# Altium PCB PROYECTO FINAL PCB.PcbDoc (continued)
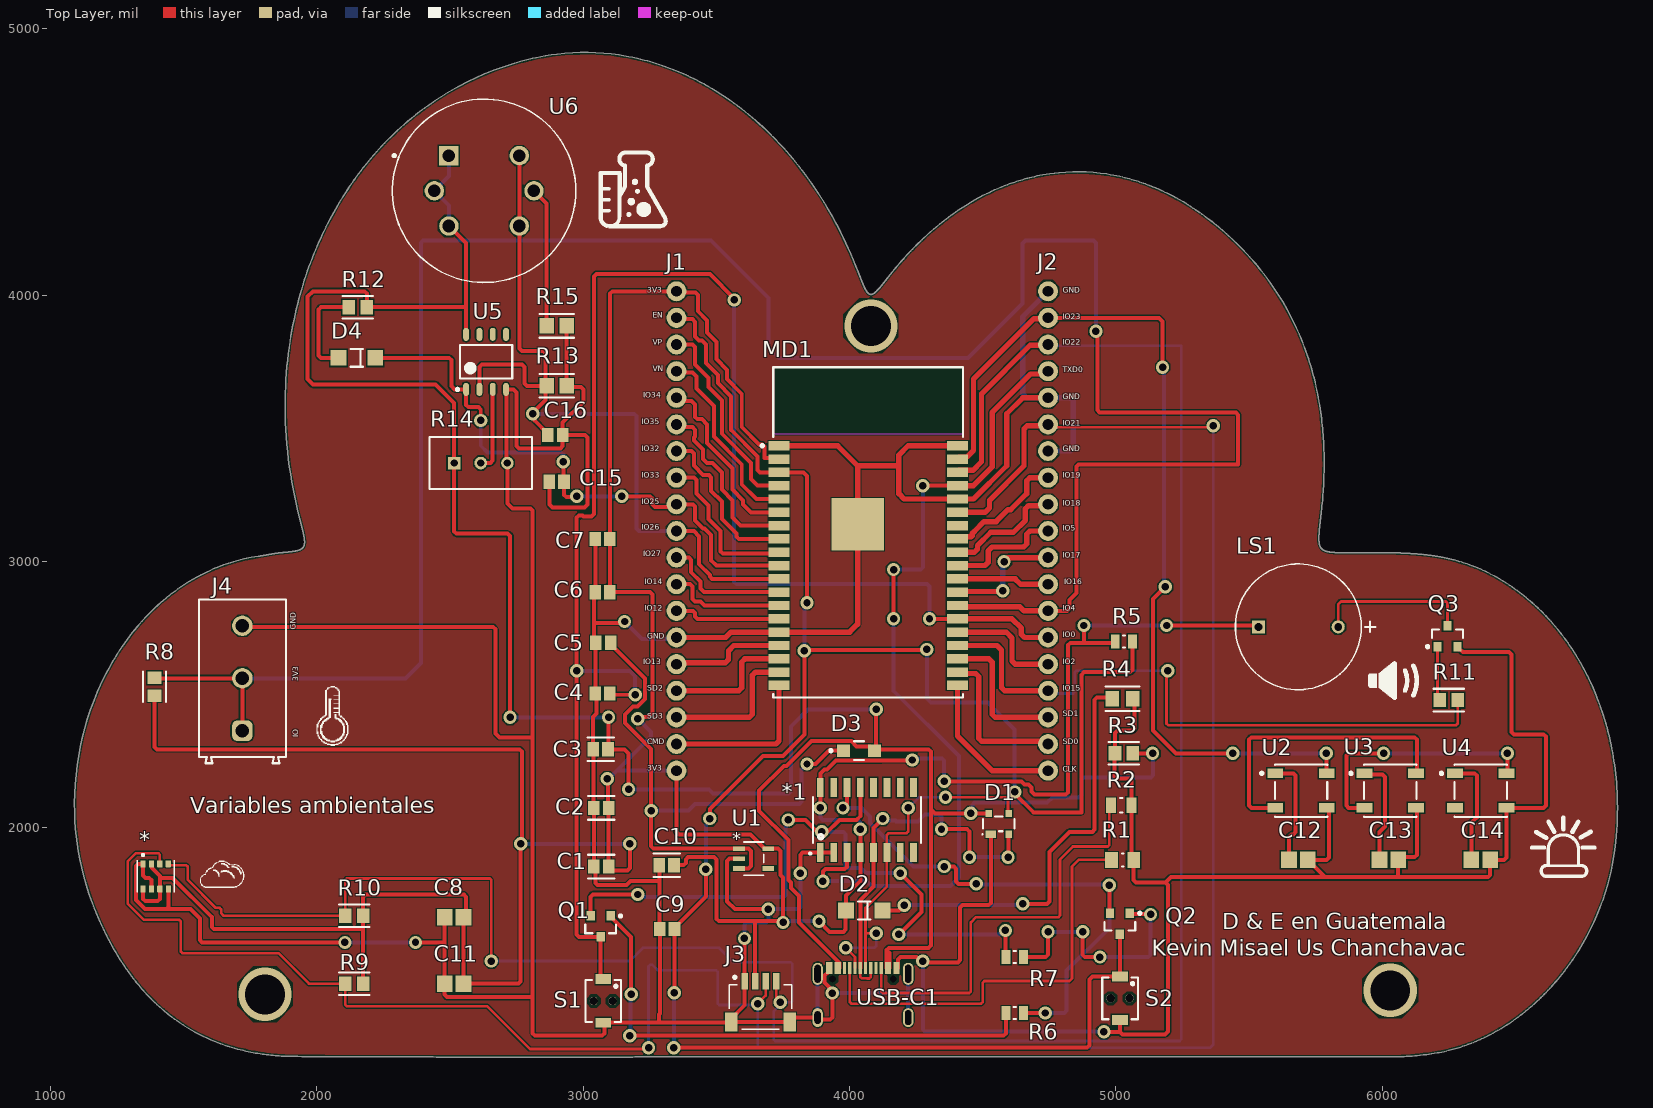
[diagram p0: Top Layer view]
## Part data (continued)
R3 R8 R9 R10 R11 R12 R13 R15: library part CMP-2001-00583-2, "RES 100K OHM 0.1% 1/8W 0805", Case Code (Imperial)=0805, Case Code (Metric)=2012, Max Operating Temperature=155°C, Max Power Dissipation=125mW, Min Operating Temperature=-55°C, Package Quantity=1, Resistance=100kR, Resistance Tolerance=0.1%, Resistor Type="Thin Film", Temperature Coefficient=25ppm/°C, Voltage Rating=100V, Case/Package=0805, Construction=Rectangular, Contact Plating=Tin, Depth=1.25mm, Features="Automotive AEC-Q200", Height=0.5mm, Lead Free="Lead Free", Length=2mm, Military Standard=Not, Mount="Surface Mount", Number of Pins=2, Number of Terminations=2, Packaging="Tape and Reel", Power Rating=125mW, Radiation Hardening=No, REACH SVHC="No SVHC", RoHS Compliant=Yes, Series=ERA-6A, Size Code=0805, Technology="METAL FILM", Termination=Solder, Tolerance=0.1%, Voltage Rating (DC)=100V, Width=1.25mm
R4: library part CMP-03211-002377-1, "RESISTOR, 0805 80.6Ω, 0.1% 15ppm/°C", Manufacturer="TE Connectivity", Package=RP732A, Power Rating=0.125W, Resistance=80.6Ω, Temperature="-55°C to 155°C", Temperature Coefficient=15ppm/°C, Temperature Range High=155°C, Temperature Range Low=-55°C, Tolerance=0.1%, Voltage Rating=150V, Automotive=No, Category=Res, ComponentLink2Description=Datasheet, ComponentLink2URL=https://www.te.com/commerce/DocumentDelivery/DDEController?Action=srchrtrv&DocNm=1773272&DocType=DS&DocLang=English, Composition="Thin Film", Device Class L1="Passive Components", Device Class L2=Resistors, Device Class L3="Chip SMD Resistors", Height=0.65mm, Ipc Land Pattern Name=RESC200125X55, Lead Free=Yes, Manufacturer Part Number=RP73D2A80R6BTG, Octopart=https://octopart.com/rp73d2a80r6btg-te+connectivity-42011633, octopart_url=https://octopart.com/rp73d2a80r6btg-te+connectivity-42011633, Packaging="250 cut tape length", RoHS=TRUE, Series=RP73
R5 R6 R7: library part CMP-2001-04657-1, "10 kOhms ±5% 0.25W, 1/4W Chip Resistor 0805 (2012 Metric) Automotive AEC-Q200, Moisture Resistant Thick Film", Manufacturer="KOA Speer", Part Number=RK73B2ATTD103J
R14: library part CMP-2000-05582-2, "TRIMMER 2K OHM 0.5W PC PIN TOP", Color=Blue, Max Operating Temperature=125°C, Max Power Dissipation=500mW, Min Operating Temperature=-55°C, Package Quantity=50, Resistance=2kR, Resistance Tolerance=10%, Resistor Type=Cermet, Temperature Coefficient=100ppm/°C, Contact Plating=Tin, Depth=4.83mm, Height=0.395inch, Lead Free="Lead Free", Length=9.53mm, Military Standard=Not, Mount=Panel, Number of Turns=25, Packaging=Rail/Tube, Power Rating=500mW, Radiation Hardening=No, REACH SVHC="No SVHC", RoHS Compliant=Yes, Series=3296, Taper=Linear, Technology=CERMET, Termination=Pin, Tolerance=10%, Weight=0.03oz, Width=9.53mm
S1: library part PTS820J25MSMTRLFS
U1: "No Description Available", Mfr_Name="Torex Semiconductor", Copyright="Copyright (C) 2022 Ultra Librarian. All rights reserved.", Manufacturer_Part_Number=XC6210B332MR-G, RefDes=RefDes, Type=DEV
U2 U3 U4: library part CMP-2000-05026-1, "Intelligent Control LED Integrated Light Source, 3.5 to 5.3 V, -25 to 80 degC, 4-Pin SMD, RoHS, Tape and Reel", Color=Red,Green,Blue(RGB), Manufacturer=Adafruit-Industries-LLC, Package Description="4-Pin Surface Mount Device, Body 5 x 5 mm", Category=Optoelectronics, Configuration=Discrete, Controller Type=-, Datasheet URL=http://datasheet.octopart.com/ADA1655-Adafruit-Industries-datasheet-32028139.pdf, Datasheet Version=May-13, Family=Addressable,Specialty, Interface=-, Manufacturer URL=https://www.adafruit.com/, Mounting Type=SurfaceMount, Number of LEDs=10, Package Reference=1655, Series=Neopixel, Size / Dimension=5.00mmLx5.00mmW, Utilized LED=WS2812(5050)
U5: library part CMP-2000-06550-1, "Low-Power, Dual-Voltage Comparator, 2 to 36 V, 0 to 70 degC, 8-Pin SOIC (SO), RoHS, Tape and Reel", Current - Input Bias (Max)=0.25µA@5V, Current - Output (Typ)=18mA@5V, Current - Quiescent (Max)=2.5mA, Manufacturer=STMicroelectronics, Operating Temperature=0°C~70°C, Package / Case="8-SOIC(0.154\",3.90mmWidth)", Package Description="8-Pin Small Outline Integrated Circuit, Body 4.9 x 3.9 mm, Pitch 1.27 mm", Package Reference=SO-8, Standard Package=2,500, Supplier Device Package=8-SO, Voltage - Input Offset (Max)=5mV@30V, Voltage - Supply, Single/Dual (±)=2V~36V,±1V~18V, Category=IntegratedCircuits(ICs), Datasheet URL=http://www.st.com/content/ccc/resource/technical/document/datasheet/group1/b4/cc/cf/13/18/28/44/f5/CD00000465/files/CD00000465.pdf/jcr:content/translations/en.CD00000465.pdf, Datasheet Version="Rev. 15, 02/2016", EDA / CAD Models=DownloadfromAcceleratedDesigns, Family=Linear-Comparators, Manufacturer URL=http://www.st.com/, Mounting Technology=SurfaceMount, Mounting Type=SurfaceMount, Number of Elements=2, Online Catalog=Comparators-2elements, Other Names=497-1593-2, Other Related Documents=LM393ViewAllSpecificationsLM393ViewAllSpecifications, Output Type=CMOS,DTL,ECL,MOS,Open-Collector,TTL, Packaging=Tape&Reel(TR), Type=GeneralPurpose
U6: library part CMP-04312-24208239-1, "TGS822 MOS-Type organic solvent vapors sensor; range: 50-5000ppm C2H5OH; supply: 5V; power: 660mW", Case/Package=Radial, Max Supply Voltage=24V, Height=10mm, NexarPartId=24208239, RoHS=Compliant
USB-C1: "USB - Type C Female 16 SMT USB Connectors RoHS", ComponentLink1Description=datasheet, ComponentLink1URL=https://datasheet.lcsc.com/szlcsc/2002271811_XKB-Connectivity-U262-161N-4BVC11_C319148.pdf, ComponentLink2Description="LCSC Link", ComponentLink2URL=https://lcsc.com/product-detail/USB-Connectors_XKB-Connectivity-U262-161N-4BVC11_C319148.html

## Via types
v1: diameter 50, hole 28, Top Layer to Bottom Layer, 92 vias
v2: diameter 200, hole 150, Top Layer to Bottom Layer, 3 vias

## Nets (pads, with @x,y where several pads share a name; then routed paths per layer and width w, separated by ;. In a path a pad name is that pad's centre, name@x,y a point inside that pad or via, vN(x,y) a via of type N, cw(c..) or ccw(c..) an arc to the next point about the centre after c; other vN are vias at no path point)
3V3: *1.4 *1.16 *.2 *.6 *.8 C1.2 C2.2 C6.2 C7.2 C8.2 C10.2 C11.2 D2.2 J1.1 J1.19 J3.2 LS1.1 MD1.2 R5.2 R8.2 R9.2 R10.2 U1.5 | length 14517.2
  Top Layer w15: *.8 1347.01,1733.79 1355.79,1725 1401.21,1725 1410,1733.79 *.6 1410,1811.83 ; *.2 1380.85,1862.66 1380.85,1849.15 1410,1820 1410,1811.83 ; R8.2 1390,2303.79 1398.79,2295 2761.21,2295 2770,2286.21 2770,1945 v1(2765,1940) 2765,1423.79 2756.21,1415 C11.2 C8.2 2560,1674.57 2560,1741.21 2551.21,1750 2182.28,1750 2173.5,1741.21 R10.2 ; R9.2 2173.5,1615 ; R10.2@2173.5,1665 2173.5,1615 ; v1(3090,2185) 3092.5,2182.5 3092.5,2077.5 C2.2 C1.2 3095,1854.24 3109.24,1840 3166.21,1840 3175,1848.79 v1(3175,1940) ; v1(3205,2410) 3211.7,2416.7 3243.91,2416.7 3260,2432.78 3260,2876.21 3251.21,2885 C6.2 3100.06,2885.06 3100.06,3084.94 C7.2 3100.12,4006.21 3108.9,4015 J1.1 3355,4010 3421.21,4010 3430,4001.21 3430,3940 3465,3905 3465,3860 3500,3825 3500,3760 3540,3720 3540,3685 3595,3630 3595,3505 3660,3440 3671.21,3440 3680,3431.21 3680,3388.79 3731.21,3388.79 MD1.2 ; C10.2 3376.21,1860 3385,1868.79 3385,1881.21 3393.79,1890 3491.21,1890 3500,1881.21 3500,1658.79 3508.79,1650 3645,1650 ; J1.19 3350,1983.79 3358.79,1975 3628.4,1975 3681,1922.4 U1.5 3731.21,1922.4 3740,1913.61 3740,1823.68 3750,1813.68 3750,1658.79 3741.21,1650 3645,1650 ; J3.2 3645.63,1649.37 3645,1650 ; v1(3885,1650) 3925,1610 3976.21,1610 3985,1618.79 3985,1688.9 D2.2 3986.1,1746.1 4040,1800 *1.4 v1(4040,1995) ; v1@3890,2085 *1.16 3890,2205 3905,2220 3915,2220 3948.48,2253.48 4122.85,2253.48 4122.93,2253.56 v1@4231.91,2253.56 ; v1(4355,2175) 4645,2175 4657.5,2162.5 4672.5,2162.5 4682.5,2152.5 4682.5,2137.5 4695,2125 4811.21,2125 4820,2133.79 4820,2686.21 4828.79,2695 4880,2695 ; v1(4880,2760) 4880,2695 ; R5.2 4992.52,2695 4880,2695 ; v1(5190,2760) 5530.39,2760 LS1.1 ; 1410,1811.83 1458.17,1811.83 1605,1665 1605,1628.79 1613.79,1620 2168.5,1620 2173.5,1615
  Bottom Layer w15: v1(2765,1940) v1(3175,1940) ; v1(3090,2185) 3097.18,2185 3127.18,2215 ; v1(3205,2410) 3255,2360 3255,2342.82 3127.18,2215 ; J1.19 3127.18,2215 ; v1(3750,1645) 3755,1650 v1(3885,1650) ; v1(3890,2075) 3890,2038.79 3898.79,2030 4031.21,2030 4040,2021.21 v1(4040,1995) ; v1(4235,2255) 4241.29,2261.29 4346.21,2261.29 4355,2252.5 v1(4355,2175) ; v1(4880,2760) v1(5190,2760)
CLK: J2.19 MD1.20 | length 584.1
  Top Layer w20: MD1.20 4405,2534.29 4405,2345 4535,2215 J2.19
CMD: J1.18 MD1.19 | length 598.1
  Top Layer w20: J1.18 3723.28,2315 3735,2326.72 MD1.19
D+: *1.5 D1.2 USB-C1.A6 USB-C1.B6 | length 1428.7
  Top Layer w10: USB-C1.A6 4040,1474.33 4040,1440.86 4045.86,1435 4065,1435 4065.39,1434.61 4073.67,1434.61 4079.53,1440.47 USB-C1.B6
  Top Layer w15: USB-C1.A6 4040.16,1730.16 4090,1780 4090,2000 v1(4125,2035) ; v1(4345,1995) 4441.21,1995 4450,1986.21 v1(4450,1890) ; v1(4595,1890) 4596.2,1891.2 4596.2,1974.43 D1.2
  Bottom Layer w15: v1(4125,2035) 4131.7,2028.3 4171.7,2028.3 4175,2025 4257.16,2025 4282.16,2050 4336.21,2050 4345,2041.21 v1(4345,1995) ; v1(4450,1890) v1(4595,1890)
D-: *1.6 D1.3 USB-C1.A7 USB-C1.B7 | length 1455.6
  Top Layer w10: v1(3985,1550) 4020.47,1514.53 USB-C1.B7 ; USB-C1.A7 4059.84,1610 ; v1(4100,1605) 4064.84,1605 4059.84,1610 ; v1(4220,2075) 4220,1985.86 4214.14,1980 4145.86,1980 4140,1974.14 *1.6 4140,1780 4059.84,1699.84 4059.84,1610 ; v1(4360,2115) 4589.14,2115 4595,2109.14 4595,2056.77 D1.3
  Bottom Layer w10: v1(3985,1550) 4094.14,1550 4100,1555.86 v1(4100,1605) ; v1(4220,2075) 4260,2115 v1(4360,2115)
DTR: *1.13 Q1.2 R7.2 | length 2760.9
  Top Layer w15: Q1.2 3027.6,1741.21 3036.39,1750 v1(3205,1750) ; v1(3770,2030) 3834.05,2030 3884.05,1980 3912.16,1980 3962.16,2030 4026.21,2030 4040,2043.79 *1.13 ; v1(4185,1600) 4270,1685 4270,1750 v1(4190,1830) ; v1(4585,1615) 4586.26,1613.74 4586.26,1516.26 R7.2
  Bottom Layer w15: v1(3205,1750) 3211.7,1743.3 3227.98,1743.3 3231.29,1740 3751.21,1740 3760,1748.79 3760,2003.71 3763.3,2007.02 3763.3,2023.3 v1(3770,2030) ; v1(3895,1985) 3976.21,1985 3985,1976.21 3985,1857.57 3993.79,1848.79 4043.57,1848.79 4062.36,1830 v1(4190,1830) ; v1(4185,1600) 4560.53,1600 4575.53,1615 v1(4585,1615)
EN: C9.2 J1.2 MD1.3 Q2.3 R5.1 S2.1 | length 7758
  Top Layer w15: v1(3340,1175) 4891.21,1175 4900,1183.79 4900,1430 4911.85,1441.85 S2.1 5015,1442.29 Q2.3 ; v1@3340,1380 3342.56,1382.56 C9.2 3342.56,1624.92 3460,1742.36 v1(3460,1845) ; J1.2 3355,3910 3410,3910 3420,3900 3420,3845 3435,3830 3445,3830 3460,3815 3460,3745 3505,3700 3505,3670 3555,3620 3555,3495 3655,3395 3655,3343.79 3663.79,3335 MD1.3 3826.21,3335 3840,3321.21 v1(3840,2845) ; v1(3475,2035) 3476.09,2036.09 3476.09,2071.09 3675,2270 3750,2270 3830,2350 v1(3830,2665) 3832.5,2667.5 4287.5,2667.5 v1(4290,2670) ; v1(4620,2135) 4620,2130 4691.21,2058.79 4870,2058.79 4870,2575 4880,2585 5053.69,2585 5062.48,2593.79 R5.1
  Bottom Layer w15: v1@3340,1185 3341.28,1186.28 v1(3341.28,1381.28) ; v1(3460,1845) 3460,2010 v1@3470,2020 ; v1(3830,2665) 3830,2835 v1(3840,2845) ; v1(4290,2670) 4290,2485 4305,2470 4520,2470 4620,2370 v1(4620,2135)
GND: *1.1 *1.2 *.1 *.5 *.7 C1.1 C2.1 C3.1 C4.1 C5.1 C6.1 C7.1 C8.1 C9.1 C10.1 C11.1 C12.1 C13.1 C14.1 C15.1 C16.1 D1.1 J1.14 J2.1 J2.5 J2.7 J3.1 J3.S1 J3.S2 J4.3 MD1.1 MD1.15 MD1.34 MD1.38 MD1.39 Q3.2 R1.1 R2.1 R3.1 R4.1 R13.1 R14.3 R15.1 S1.2 S2.2 U1.2 U2.3 U3.3 U4.3 U5.4 USB-C1.A1 USB-C1.A12 USB-C1.B1 USB-C1.B12 USB-C1.S1@3879.92,1287.68 USB-C1.S2@3879.92,1452.24 USB-C1.S3 USB-C1.S4 | length 24434.5
  Top Layer w15: *.7 1378.5,1803.81 1369.72,1812.59 1355.79,1812.59 1347.01,1821.38 *.1 1328.79,1865 1320,1856.21 1320,1729.75 1354.75,1695 1433.5,1695 ; *.5 1442.28,1703.79 1433.5,1695 ; J4.3@1730,2755 2661.21,2755 2670,2746.21 2670,2355 2685,2340 2810,2340 ; v1(2105,1570) 1568.79,1570 1560,1578.79 1560,1660 1525,1695 1433.5,1695 ; v1(2370,1570) 2474.57,1570 2479.57,1565 ; C8.1 2479.57,1565 ; C15.1 2872.44,3213.79 2883.73,3202.5 3003.71,3202.5 3015,3213.79 3015,3466.21 3006.21,3475 C16.1 ; R15.1 R13.1 2942.43,3655 2991.21,3655 3000,3646.21 3000,3600 2922.56,3522.56 C16.1 ; C7.1 3044.94,3084.94 3044.94,2885.06 C6.1 3040,2880.12 3040,2770 ; v1(3155,2775) 3150,2770 3040,2770 ; C10.1 3286.22,1858.78 3286.22,1800 ; U1.2 3548.79,1885 3540,1876.21 3540,1723.79 3568.79,1695 v1(3695,1695) ; v1(3605,1585) 3605.63,1584.37 3605.63,1424.53 J3.1 3606.26,1334.33 3555.08,1283.15 J3.S1 ; v1(3815,1830) 3815,1898.97 3823.79,1907.76 *1.1 *1.2 ; USB-C1.A1 3918.11,1457.07 3906.08,1445.04 3906.08,1420.08 3928.3,1397.86 3928.3,1386.7 v1(3935,1380) 3935,1288.79 3926.21,1280 3887.6,1280 3879.92,1287.68 3791.67,1287.68 3775.55,1271.56 J3.S2 J3.S1 ; USB-C1.A12 4181.89,1506.21 4190.68,1515 4250.53,1515 4265.53,1500 v1(4275,1500) 4280,1495 4406.21,1495 4415,1503.79 4415,1701.21 4423.79,1710 4521.69,1710 4530.47,1718.79 D1.1 ; v1(4955,1235) 4956.21,1233.79 5015.43,1233.79 ; S2.2 5015.43,1233.79 ; R4.1 5070,2478.43 5070,2373.79 5061.21,2365 5005.29,2365 4996.5,2356.21 R3.1 4995,2278.5 4995,2193.79 5003.79,2185 5049.6,2185 5058.39,2176.21 R2.1 5058.39,1887.99 R1.1 5066.37,1803.79 5075.16,1795 5186.21,1795 ; U2.3 5800,2066.5 5800,1888.79 5791.21,1880 C12.1 5720.43,1879.02 5742.46,1856.99 5743.44,1856.99 5785.43,1815 ; U3.3 6130,2071.5 6130,1898.79 6121.21,1890 6070.43,1890 C13.1 6060,1879.57 6060,1823.79 6051.21,1815 ; Q3.2 6282.4,2678.66 6290.65,2670.41 6292.62,2670.41 6303.03,2660 6476.21,2660 6485,2651.21 6485,2360 6493.79,2351.21 6606.21,2351.21 6615,2342.43 6615,2083.79 6606.21,2075 U4.3 U4.3 6466.46,1888.79 6457.67,1880 C14.1 6405.43,1823.79 6396.65,1815 6051.21,1815 ; 2479.57,1565 C11.1 2479.57,1373.79 2488.35,1365 2810,1365 ; 2810,1365 2810,2340 ; 2810,1365 2810,1228.79 2818.79,1220 3071.21,1220 3080,1228.79 3080,1263.47 S1.2 3285,1268.47 ; 2810,2340 2810,3191.21 2801.21,3200 2733.79,3200 2715,3218.79 R14.3 2711.27,3373.73 2711.27,3645.38 U5.4 2738.35,3646.65 2750,3635 2750,3433.79 2758.79,3425 2913.77,3425 2922.56,3433.79 C16.1 ; 3040,2770 3040,2702.44 C5.1 3046.22,2693.78 3046.22,2506.22 C4.1 3050,2500 3050,2430 3037.21,2417.21 C3.1 3038.32,2293.89 3038.32,2076.11 C2.1 C1.1 3045,1849.43 3045,1793.79 3053.79,1785 3162.5,1785 3177.5,1800 3286.22,1800 ; 3285,1268.47 3552.2,1268.47 J3.S1 ; 3285,1268.47 3285,1300 3287.44,1302.44 C9.1 3286.22,1621.22 3286.22,1800 ; 5015.43,1233.79 5024.22,1225 5185,1225 5195,1235 5195,1786.21 5186.21,1795 ; 5186.21,1795 5206.21,1815 5785.43,1815 ; 5785.43,1815 6051.21,1815
  Top Layer w20: J1.14 3534.38,2715 3554.38,2735 MD1.15 4000,2735 4030.28,2765.28 MD1.39 4030.28,3359.72 ; MD1.1 3955,3435 4030.28,3359.72 ; MD1.38 4220,3435 4185,3400 4185,3365 ; J2.5 4650,3615 4590,3555 4590,3360 4465,3235 MD1.34 4205,3235 4185,3255 4185,3365 ; 4030.28,3359.72 4179.72,3359.72 4185,3365
  Bottom Layer w15: v1(2105,1570) v1(2370,1570) ; v1(3155,2775) 3220,2710 3345,2710 J1.14 ; v1@3605,1600 3605,1636.21 3613.79,1645 3686.21,1645 3695,1653.79 v1(3695,1695) 3806.21,1695 3815,1703.79 v1(3815,1830) ; USB-C1.S1@3879.92,1287.68 USB-C1.S2@3879.92,1452.24 ; v1(3935,1380) 4220.08,1380 ; USB-C1.S4 4220.08,1380 ; USB-C1.S3 4220.08,1380 ; v1(4275,1500) 4275,1388.79 ; v1(4955,1235) 4283.79,1235 4275,1243.79 4275,1388.79 ; 4220.08,1380 4266.21,1380 4275,1388.79
  Bottom Layer w20: J2.7 4828.28,3415 4840,3426.72 4840,3603.28 4828.28,3615 J2.5 4666.72,3615 4650,3631.72 4650,3920 J2.1
IO0: C4.2 J2.14 MD1.25 Q1.3 S1.1 | length 6174.2
  Top Layer w15: S1.1 3065,1441.85 Q1.3 2983.79,1590.63 2975,1599.42 v1(2975,2590) 2975,3165 2983.79,3173.79 2996.21,3173.79 3000,3170 3031.21,3170 3040,3178.79 3040,4071.21 3048.79,4080 3475,4080 3566.29,3988.71 3566.29,3976.29 v1@3565,3975 ; C4.2 3105.12,2500 v1(3195,2500) ; v1(4300,2785) MD1.25
  Top Layer w20: MD1.25 4610,2785 4645,2750 4645,2726.72 4656.72,2715 J2.14
  Bottom Layer w15: v1(2975,2590) 3174.99,2590.01 3195,2570 v1(3195,2500) ; v1(3566.29,3982.5) 3566.29,2923.79 3575.07,2915 4291.21,2915 4300,2906.21 v1(4300,2785)
IO2: J2.15 MD1.24 | length 441.1
  Top Layer w20: MD1.24 4588.28,2735 4610,2713.28 4610,2626.72 4621.72,2615 J2.15
IO4: J2.13 J4.1 J4.2 MD1.26 R8.1 | length 8884.3
  Top Layer w15: R8.1 1391.65,2561.85 J4.2 J4.1 ; J2.13 4816.21,2815 4825,2823.79 4825,2855 4851.21,2881.21 4851.21,3356.21 4860,3365 5458.79,3365 5458.79,3551.21 5450,3560 4938.79,3560 4930,3568.79 4930,3860 v1(4925,3865)
  Top Layer w20: MD1.26 4409.29,2830 4640,2830 4655,2815 J2.13
  Bottom Layer w15: J4.2 2331.85,2561.85 2390,2620 2390,4196.21 2398.79,4205 3480,4205 3695,3990 3695,3805 3735.44,3764.56 4445,3764.56 4650,3969.56 4650,4195 4660,4205 4916.21,4205 4925,4196.21 v1(4925,3865)
IO5: J2.10 MD1.29 | length 441.3
  Top Layer w20: MD1.29 4508.28,2985 4520,2996.72 4520,3040 4535,3055 4653.28,3055 4665,3066.72 4665,3103.28 4676.72,3115 J2.10
IO12: J1.13 MD1.14 | length 404.7
  Top Layer w15: J1.13 3411.21,2815 3420,2806.21 3420,2793.79 3428.79,2785 MD1.14
IO13: J1.15 MD1.16 | length 433.5
  Top Layer w20: J1.15 3355,2620 3533.28,2620 3545,2631.72 3545,2665 3565,2685 MD1.16
IO14: J1.12 MD1.13 | length 445.9
  Top Layer w15: J1.12 3401.21,2915 3410,2906.21 3410,2858.79 3418.79,2850 3440,2850 3455,2835 MD1.13
IO15: J2.16 MD1.23 R11.2 | length 2413.7
  Top Layer w10: v1(5195,2590) 5190,2585 5190,2391.5 5195.86,2385.65 6277.64,2385.65 6283.5,2391.5 R11.2
  Top Layer w20: MD1.23 4553.28,2685 4570,2668.28 4570,2526.72 4581.72,2515 J2.16
  Bottom Layer w10: J2.16 4755,2505 4839.14,2505 4845,2510.86 4845,2584.14 4850.86,2590 v1(5195,2590)
IO16: J2.12 MD1.28 | length 349
  Top Layer w20: MD1.28 4621.72,2935 4641.72,2915 J2.12
IO17: J2.11 MD1.27 | length 456.1
  Top Layer w20: MD1.27 4406.79,2887.5 4572.5,2887.5 v1(4575,2890) ; v1(4580,3000) 4595,3015 J2.11
  Bottom Layer w20: v1(4575,2890) 4575,2995 v1(4580,3000)
IO18: J2.9 MD1.30 | length 448.4
  Top Layer w20: MD1.30 4468.28,3035 4480,3046.72 4480,3060 4530,3110 4615,3110 4660,3155 4660,3198.28 4671.72,3210 4740,3210 J2.9
IO19: J2.8 MD1.31 | length 472.7
  Top Layer w20: MD1.31 4412.01,3092.72 4456,3092.72 4460,3096.72 4460,3105 4470,3115 ; 4467.5,3112.5 4470,3115 ; J2.8 4676.72,3315 4665,3303.28 4665,3255 4605,3195 4595,3195 4550,3150 4505,3150 4470,3115
IO21: *.3 J2.6 J3.3 MD1.33 R9.1 | length 8973.5
  Top Layer w10: *.3 1410,1899.14 1404.14,1905 1320,1905 1290,1875 1290,1715 1350,1655 1482.89,1655 1488.75,1649.14 1488.75,1535.86 1494.61,1530 1854.88,1530 1969.88,1415 R9.1 2106.5,1335.86 2112.36,1330 2640,1330 2800,1170 3240,1170 v1(3245,1175) ; v1(3655,1340) 3685,1370 J3.3 ; J2.6 4755,3505 5360,3505 v1(5365,3510)
  Top Layer w20: MD1.33 4508.28,3185 4525,3201.72 4525,3230 4655,3360 4655,3498.28 4666.72,3510 4740,3510 J2.6
  Bottom Layer w10: v1(3245,1175) 3245,1480 3250.86,1485.86 3259.14,1485.86 3280,1465 3499.14,1465 3505,1459.14 3505,1340.86 3510.86,1335 3650,1335 v1(3655,1340) 3655,1180.86 3660.86,1175 5354.14,1175 5365,1185.86 v1(5365,3510)
IO22: *.4 J2.3 J3.4 MD1.36 R10.1 | length 8688.8
  Top Layer w10: *.4 1441.5,1864.84 1446.34,1860 1509.14,1860 1515,1854.14 1515,1805 1620,1700 1634.14,1700 1640,1694.14 1640,1680 1650,1670 R10.1 2106.5,1804.14 2112.36,1810 2649.14,1810 2655,1804.14 v1(2655,1500) ; J3.4 3724.37,1365.63 v1@3735,1355
  Top Layer w20: MD1.36 4412.01,3342.72 4462.72,3342.72 4495,3375 4495,3629.64 4677.5,3812.14 4742.14,3812.14 J2.3
  Bottom Layer w10: v1(2655,1500) 3175,1500 3225,1550 3510,1550 3565,1495 3779.14,1495 3785,1489.14 3785,1350.86 3779.14,1345 v1(3740,1345) 3740,1335 3715,1310 3715,1205.86 3720.86,1200 5239.14,1200 5245,1205.86 5245,3810 4750,3810 J2.3
IO23: J2.2 MD1.37 U2.4 | length 3472.5
  Top Layer w15: J2.2 5161.21,3915 5175,3901.21 v1(5175,3730) ; v1(5185,2905) 5140,2860 5140,2365 5225,2280 v1(5438.79,2280) ; v1(5790,2280) 5791.46,2278.54 U2.4
  Top Layer w20: MD1.37 4412.01,3392.72 4440.31,3392.72 4465,3417.41 4465,3685 4692.27,3912.27 4742.27,3912.27 J2.2
  Bottom Layer w15: v1(5175,3730) 5180,3725 5180,2910 v1(5185,2905) ; v1(5438.79,2280) v1(5790,2280)
IO25: C15.2 D4.1 J1.9 MD1.10 U5.1 | length 2195.9
  Top Layer w15: D4.1 2496.21,3765 2505,3756.21 2505,3658.79 2517.13,3646.65 U5.1 2560,3588.79 2568.79,3580 2606.21,3580 2615,3571.21 v1(2615,3530) ; v1(2925,3375) 2926.28,3373.72 2926.28,3301.28 C15.2 2927.56,3250.93 2936.35,3242.14 2972.14,3242.14 v1(2975,3245) ; v1(3145,3245) 3251.21,3245 3260,3236.21 3260,3213.79 3268.79,3205 3340,3205 J1.9 3411.21,3215 3420,3206.21 3420,3155 3450,3125 3455,3125 3480,3100 3480,3005 3500,2985 MD1.10
  Bottom Layer w15: v1(2615,3530) 2615,3435 2640,3410 2916.21,3410 2925,3401.21 v1(2925,3375) ; v1(2975,3245) v1@3135,3245
IO26: C16.2 J1.10 MD1.11 R13.2 U5.2 U6.4 U6.6 | length 3081.7
  Top Layer w15: U5.2 2610,3731.21 2618.79,3740 2770,3740 2780,3730 2780,3668.79 2788.79,3660 R13.2@2858.79,3660 ; U6.6 U6.4 2760,3800 2770,3790 2850,3790 2858.79,3781.21 R13.2@2858.79,3660 ; C16.2 2867.44,3479.92 2816.7,3530.67 2816.7,3548.3 v1(2810,3555) 2810,3557.34 2858.79,3606.13 R13.2@2858.79,3660 ; J1.10 3415,3115 3435,3095 3435,2990 3475,2950 3475,2943.79 3483.79,2935 MD1.11
  Bottom Layer w15: v1(2810,3555) 3191.21,3555 3200,3546.21 3200,3123.79 3208.79,3115 J1.10
IO27: J1.11 MD1.12 | length 481.3
  Top Layer w15: J1.11 3396.21,3015 3405,3006.21 3405,2960 3440,2925 3440,2898.79 3453.79,2885 MD1.12
IO32: J1.7 MD1.8 | length 623.4
  Top Layer w15: J1.7 3406.21,3415 3415,3406.21 3415,3360 3450,3325 3471.21,3325 3480,3316.21 3480,3265 3520,3225 3520,3160 3575,3105 3575,3093.79 3583.79,3085 MD1.8
IO33: J1.8 MD1.9 | length 609.1
  Top Layer w15: J1.8 3416.21,3315 3425,3306.21 3425,3255 3470,3210 3470,3160 3515,3115 3515,3038.79 3523.79,3030 3730,3030 MD1.9
IO34: J1.5 MD1.6 | length 686.8
  Top Layer w15: J1.5 3361.48,3603.52 3406.48,3603.52 3420,3590 3420,3543.79 3428.79,3535 3445,3535 3465,3515 3465,3445 3560,3350 3560,3270 3600,3230 3600,3215 3630,3185 MD1.6
IO35: J1.6 MD1.7 | length 668.6
  Top Layer w15: J1.6 3360,3505 3410,3505 3420,3495 3420,3470 3416.21,3466.21 3416.21,3453.79 3450,3420 3450,3385 3465,3370 3485,3370 3520,3335 3520,3270 3560,3230 3560,3165 3590,3135 MD1.7
NetC5_2: C5.2 D3.1 U1.1 U1.3 | length 2272.5
  Top Layer w15: C5.2 3102.56,2690.08 3232.5,2560.14 3232.5,2484.47 3203.03,2455 3186.97,2455 3157.5,2425.53 3157.5,2394.47 3255,2296.97 v1(3255,2065) 3255,1931.19 3263.79,1922.4 U1.1 3621.21,1922.4 3630,1913.61 3630,1856.39 3621.21,1847.6 U1.3 ; v1(3840,2240) 3872.04,2240 3922.04,2290 D3.1
  Bottom Layer w15: v1(3255,2065) 3395,2065 3420,2090 3811.21,2090 3820,2098.79 3820,2220 v1(3840,2240)
NetC12_2: C12.2 U2.1 | length 411.5
  Top Layer w15: U2.1 5598.58,2205 5666.21,2205 5675,2196.21 5675,1983.79 5666.21,1975 5658.35,1975 5649.57,1966.21 C12.2
NetC13_2: C13.2 U3.1 | length 401.8
  Top Layer w15: U3.1 5938.5,2200 6001.21,2200 6010,2191.21 6010,2005 5989.57,1984.57 C13.2
NetC14_2: C14.2 U4.1 | length 409.7
  Top Layer w15: U4.1 6346.21,2204.96 6355,2196.17 6355,2040 6334.57,2019.57 C14.2
NetD2_1: D2.1 R4.2 | length 1583.7
  Top Layer w15: D2.1 4185,1690 v1@4200,1705 ; v1(4650,1715) 4741.21,1715 4750,1723.79 4750,1910 4825,1985 4911.21,1985 4920,1993.79 4920,2481.21 4928.79,2490 4981.57,2490 R4.2
  Bottom Layer w15: v1(4205,1710) 4645,1710 v1(4650,1715)
NetD4_2: D4.2 R12.1 | length 368.4
  Top Layer w15: D4.2 2015,3765 2006.21,3773.79 2006.21,3946.21 2015,3955 R12.1
NetLS1_2: LS1.2 Q3.3 | length 586.5
  Top Layer w10: LS1.2 5834.61,2839.61 5845,2850 6239.14,2850 6245,2844.14 Q3.3
NetQ1_1: Q1.1 R6.1 | length 1976
  Top Layer w15: Q1.1 3102.4,1667.4 3180,1589.8 v1(3180,1375) ; v1(3175,1220) 4578.73,1220 4587.52,1228.79 R6.1
  Bottom Layer w15: v1(3175,1220) 3177.5,1222.5 3177.5,1372.5 v1(3180,1375)
NetQ2_1: Q2.1 R7.1 | length 891.5
  Top Layer w15: R7.1 4736.21,1515 4745,1523.79 v1(4745,1610) ; v1(4875,1610) 4875,1523.79 4883.79,1515 v1(4940,1515) ; Q2.1 5054.59,1677.19 5127.81,1677.19 v1(5130,1675)
  Bottom Layer w15: v1(4745,1610) v1(4875,1610) ; v1(4940,1515) 5121.21,1515 5130,1523.79 v1(5130,1675)
NetQ3_1: Q3.1 R11.1 | length 204.3
  Top Layer w10: Q3.1 6207.6,2488.91 R11.1
NetR1_2: R1.2 USB-C1.A5 | length 1626.5
  Top Layer w10: USB-C1.A5 4000.79,1345.86 4006.65,1340 4494.14,1340 4500,1345.86 4500,1419.14 4505.86,1425 4825,1425 4835,1435 4835,1855 4860,1880 R1.2
NetR2_2: R2.2 USB-C1.B5 | length 1605.3
  Top Layer w10: USB-C1.B5 4118.9,1385.86 4124.76,1380 4449.14,1380 4455,1385.86 4455,1645 4475,1665 4784.14,1665 4790,1670.86 4790,1880 4789.14,1880.86 4838.28,1930 4969.14,1930 4975,1935.86 4975,2078.39 R2.2
NetR14_2: R14.2 U5.3 | length 316.5
  Top Layer w15: R14.2 2651.21,3370 2660,3378.79 U5.3
NetR15_2: R15.2 U6.5 | length 527
  Top Layer w15: U6.5 2862.57,4344.44 R15.2
NetU2_2: U2.2 U3.4 | length 1114.6
  Top Layer w15: U2.2 5508.79,2075.04 5500,2083.83 5500,2331.21 5508.79,2340 6121.21,2340 6130,2331.21 6130,2208.5 U3.4
NetU3_2: U3.2 U4.4 | length 944.7
  Top Layer w15: U3.2 5873.79,2075.04 5865,2083.83 5865,2271.21 5873.79,2280 v1(6005,2280) ; U4.4 6470,2208.5 v1(6470,2280)
  Bottom Layer w15: v1(6005,2280) v1(6470,2280)
RTS: *1.14 Q2.2 R6.2 | length 2052.2
  Top Layer w15: v1@3985,2075 3990,2080 *1.14 ; v1(4355,1855) 4391.21,1855 4400,1846.21 4400,1798.79 4408.79,1790 v1(4475,1790) ; R6.2 v1(4735,1305) ; v1(4975,1785) 4976.3,1783.7 4976.3,1680.67 Q2.2
  Bottom Layer w15: v1(3975,2075) 4045,2075 4049.99,2070.01 4077.23,2042.77 4077.23,2017.77 4240,1855 v1(4355,1855) ; v1(4475,1790) 4477.5,1787.5 4972.5,1787.5 v1(4975,1785) 4975,1625 4815,1465 4815,1313.79 4806.21,1305 v1(4735,1305)
SD0: J2.18 MD1.21 | length 588.2
  Top Layer w20: MD1.21 4409.29,2580 4473.28,2580 4485,2568.28 4485,2336.72 4496.72,2325 4735,2325 J2.18
SD1: J2.17 MD1.22 | length 547
  Top Layer w20: MD1.22 4523.28,2635 4535,2623.28 4535,2426.72 4546.72,2415 J2.17
SD2: J1.16 MD1.17 | length 491.3
  Top Layer w20: J1.16 3583.28,2515 3595,2526.72 3595,2623.28 3606.72,2635 MD1.17
SD3: J1.17 MD1.18 | length 541.3
  Top Layer w20: J1.17 3623.28,2415 3635,2426.72 3635,2573.28 3646.72,2585 MD1.18
TXD0: *1.3 J2.4 MD1.35 | length 3163.8
  Top Layer w15: v1(3900,1800) 3900.96,1800.96 3900.96,1836.21 3909.75,1845 3981.21,1845 3990,1853.79 *1.3 ; v1(4165,2785) 4165,2956.21 4165.68,2956.89 4165.68,2969.32 v1(4165,2970) ; v1(4275,3285) MD1.35
  Top Layer w20: MD1.35 4465,3285 4535,3355 4535,3560 4679.48,3704.48 4734.48,3704.48 J2.4
  Bottom Layer w15: v1(3900,1800) 4064.07,1800 4082,1782.07 4378.29,1782.07 4410,1813.79 4410,2270 4165,2515 v1(4165,2785) ; v1(4165,2970) 4266.21,2970 4275,2978.79 v1(4275,3285)
VBUS: C3.2 D1.4 D3.2 R3.2 R12.2 R14.1 U5.8 U6.1 U6.2 U6.3 USB-C1.A4 USB-C1.A9 USB-C1.B4 USB-C1.B9 | length 9493.4
  Top Layer w15: U6.3 2560,4195.51 2560,3955 ; U5.8 2560,3955 ; v1(2725,2415) 2725,3096.21 2716.21,3105 2523.79,3105 2515,3113.79 R14.1 2515,3595 2445,3665 1985,3665 1965,3685 1965,3995 1985,4015 2178.2,4015 2186.99,4006.21 R12.2 2560,3955 ; v1(3095,2415) 3093.89,2413.89 3093.89,2296.11 C3.2 3155,2295 3169.98,2280.02 v1(3169.98,2145) ; USB-C1.B9 3961.42,1493.58 3810,1645 3810,1745 3780,1775 3780,1795 3770,1805 3770,1838.03 3770,1954.02 3660,2064.02 3660,2140 3753.26,2233.26 3763.26,2233.26 3856.52,2326.52 4006.71,2326.52 4026.71,2306.52 4076.56,2306.52 4092.5,2290.57 D3.2@4096.93,2295 ; v1(4100,2445) 4100,2298.07 D3.2@4096.93,2295 ; USB-C1.B4 4138.58,1541.21 ; USB-C1.A9 4150.39,1529.4 4138.58,1541.21 ; D1.4 4320.63,2054.37 4315.01,2059.99 4305,2070 ; R3.2 v1(5137.5,2280) ; D3.2@4096.93,2295 4296.21,2295 4305,2286.21 4305,2070 ; 4138.58,1541.21 4147.37,1550 4296.21,1550 4305,1558.79 4305,2070
  Bottom Layer w15: U6.3 2495.51,4337.48 U6.2 2495.51,4447.01 U6.1 ; v1(2725,2415) v1(3095,2415) ; v1(3169.98,2145) 3472.84,2145 3487.84,2130 3771.21,2130 3780,2138.79 3780,2381.21 3843.79,2445 v1(4100,2445) ; v1(4455,2055) 4460.96,2060.96 4460.96,2086.21 4469.75,2095 4741.86,2095 4761.86,2115 4861.21,2115 4870,2123.79 4870,2181.21 4878.79,2190 5131.21,2190 5140,2198.79 5140,2277.5 v1(5137.5,2280)
VN: J1.4 MD1.5 | length 721.5
  Top Layer w15: J1.4 3355,3710 3410,3710 3425,3695 3425,3650 3490,3585 3490,3470 3595,3365 3595,3290 3650,3235 MD1.5
VP: J1.3 MD1.4 | length 771.5
  Top Layer w15: J1.3 3410,3815 3420,3805 3420,3740 3470,3690 3470,3655 3520,3605 3520,3480 3630,3370 3630,3310 3655,3285 MD1.4
pads on no net: *1.7 *1.8 *1.9 *1.10 *1.11 *1.12 *1.15 MD1.32 S1.MH1 S1.MH2 S2.MH1 S2.MH2 U1.4 U4.2 U5.5 U5.6 U5.7 USB-C1.A8 USB-C1.B8 USB-C1.S1@3880,1287 USB-C1.S1@4220,1288 USB-C1.S2@3880,1453 USB-C1.S2@4220,1453 USB-C1.Un1 USB-C1.Un2
copper on no net:
  other v2: 1805,1375 6030,1390 4080,3885

## Polygon pours and split planes (outlines as drawn)
no net on Top Layer "NONET_L01_P001" (solid, pour order 1): 1460,4965 5402.44,5029.01 7131.13,2238.35 6620,1065 1275,1065 810,1530 865,1585 865,2910 1410,2910 1815.03,3315.03 1815.03,4374.65
no net on Bottom Layer "NONET_L02_P002" (solid, pour order 2): 1140,5100 4660,5100 6950,2810 6950,1465 6540,1055 1255,1055 1255,1070 535,1790 705,1960 705,2595 1310,3200 1665,3200 1665,4380 2070,4785 2080,4785 2080,4930 1880,5130 1195,5130 1185,5140

## Silkscreen, mask and mechanical layers (free items; w line width, h text height)
Top Overlay:
  drawing of 25 lines, arcs and shapes, not listed
  text "3V3" at 3240,4010 h20
  text "GND" at 4800,4010 h20
  text "EN" at 3260,3915 h20
  text "IO23" at 4800,3910 h20
  text "VP" at 3260,3815 h20
  text "IO22" at 4800,3815 h20
  text "VN" at 3260,3715 h20
  text "TXD0" at 4800,3710 h20
  text "IO34" at 3225,3615 h20
  text "GND" at 4800,3610 h20
  text "IO35" at 3220,3515 h20
  text "IO21" at 4800,3510 h20
  text "IO32" at 3220,3415 h20
  text "GND" at 4800,3415 h20
  text "IO33" at 3220,3315 h20
  text "IO19" at 4800,3315 h20
  text "IO25" at 3220,3215 h20
  text "IO18" at 4800,3210 h20
  text "IO26" at 3220,3120 h20
  text "IO5" at 4800,3115 h20
  text "IO27" at 3225,3020 h20
  text "IO17" at 4800,3015 h20
  text "IO14" at 3230,2915 h20
  text "IO16" at 4805,2915 h20
  text "IO12" at 3230,2815 h20
  text "IO4" at 4800,2815 h20
  text "GND" at 1920,2745 h20 r90
  text "IO0" at 4800,2715 h20
  text "GND" at 3240,2710 h20
  text "IO13" at 3225,2615 h20
  text "IO2" at 4800,2615 h20
  text "3V3" at 1930,2550 h20 r90
  text "SD2" at 3240,2515 h20
  text "IO15" at 4800,2515 h20
  text "SD1" at 4800,2420 h20
  text "SD3" at 3240,2410 h20
  text "IO" at 1930,2340 h20 r90
  text "CMD" at 3240,2315 h20
  text "SD0" at 4800,2315 h20
  text "3V3" at 3240,2215 h20
  text "CLK" at 4800,2210 h20
  text "Variables ambientales" at 1525,2055 h60
  text "D & E en Guatemala" at 5400,1620 h60
  text "Kevin Misael Us Chanchavac" at 5135,1520 h60
Bottom Overlay:
  drawing of 22 lines, arcs and shapes, not listed
  text "D & E por:" at 2625,2299.99 h60
  text "Kevin Misael Us Chanchavac" at 3010,2200 h60
Top 3D Body:
  drawing of 4685 lines, arcs and shapes, not listed

## Text inside footprints (layer, text, board x,y; h text height)
U1: Top Overlay "*" at 3560,1935 h50; Mechanical 13 "*" at 3605,1891.4 h50